# KiCad board RASBB.kicad_pcb (continued)
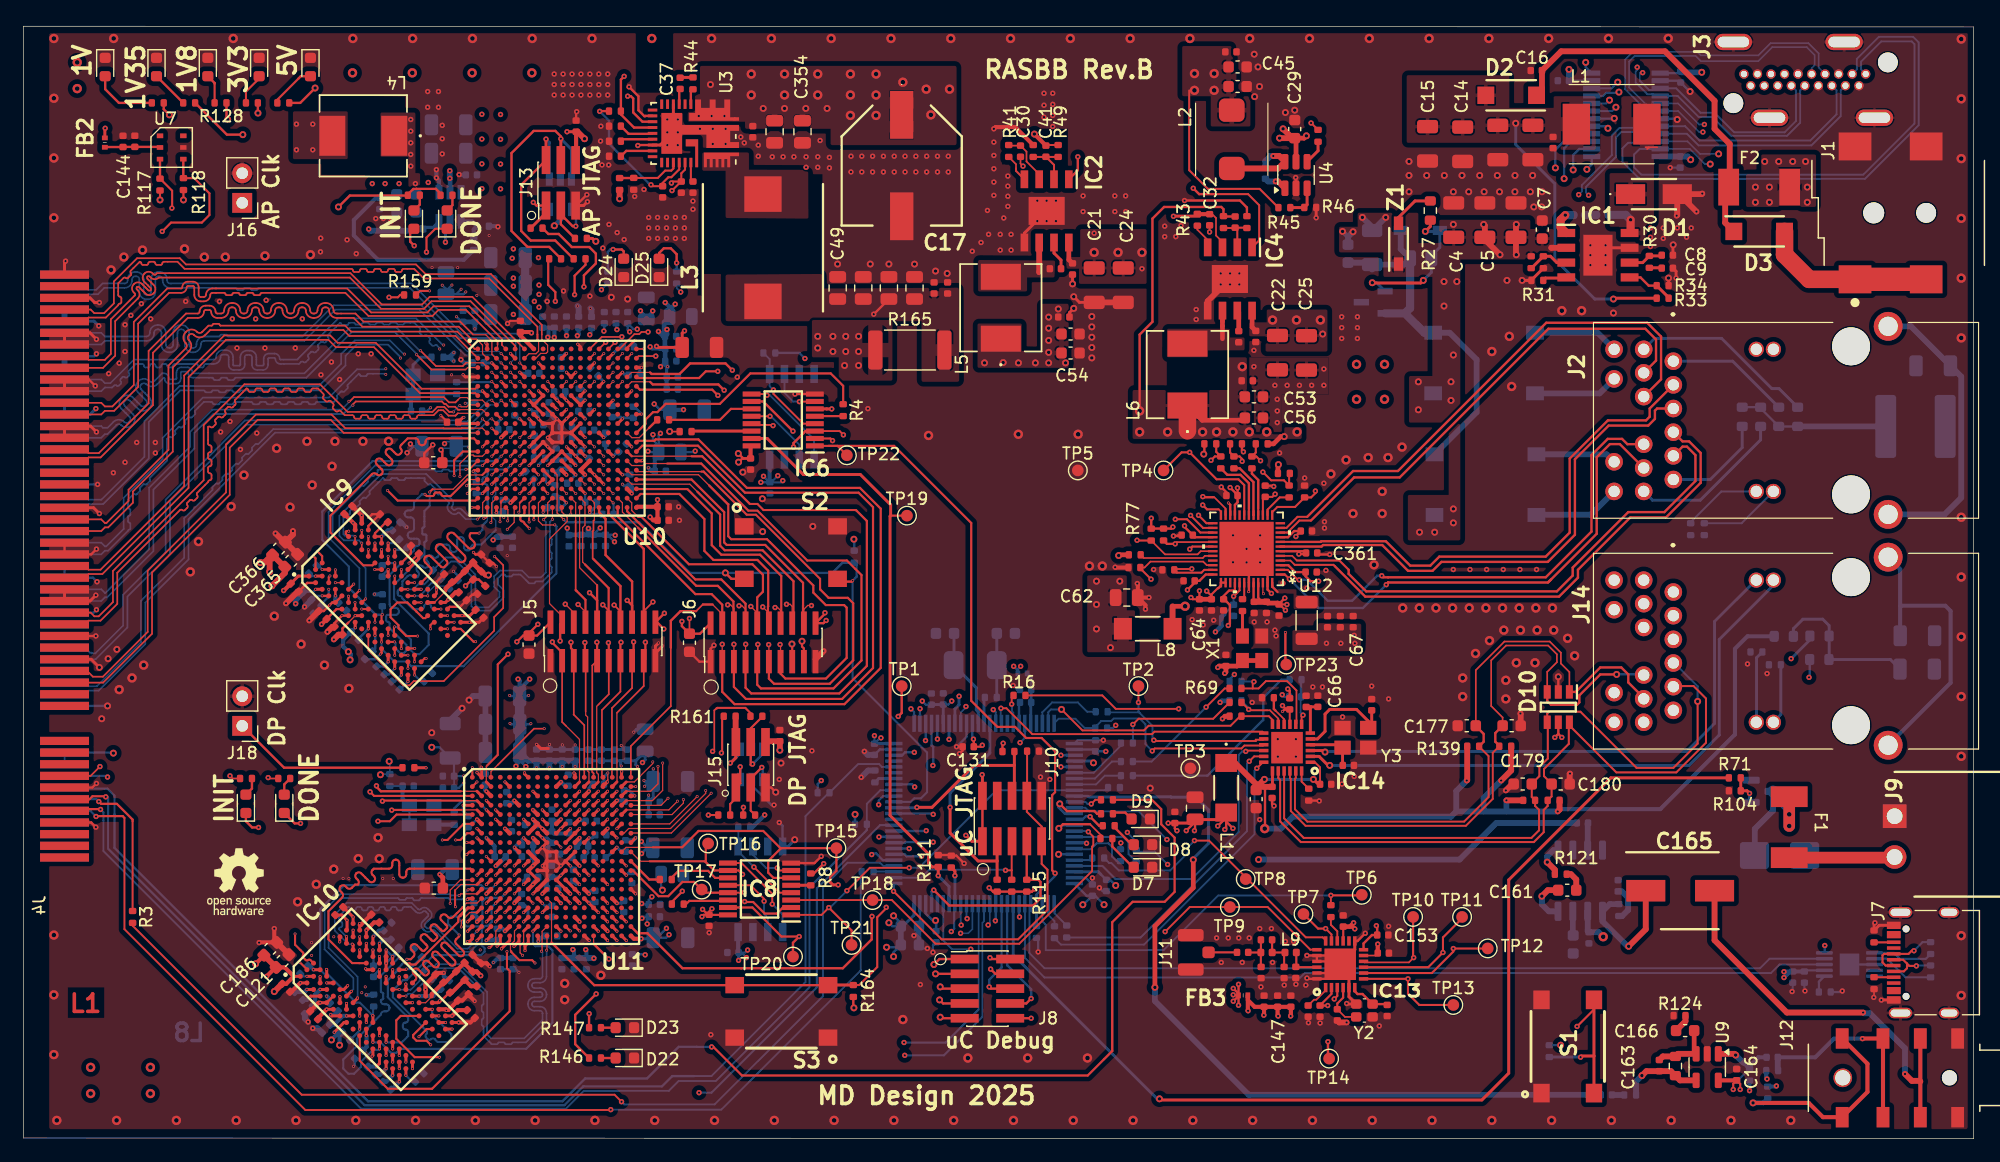
[diagram p0: board, top side]
## Library data of the parts (continued)
D4 D5 = -: Datasheet: https://www.lcsc.com/datasheet/lcsc_datasheet_2304140030_Diodes-Incorporated-DF1501S-T_C155338.pdf; Description: 50A 1.1V@1.5A 1.5A 100V DF-S Bridge Rectifiers ROHS; LCSC Part #: C155338; ki_fp_filters: D*Bridge* D*Rectifier*
D6 = -: Datasheet: https://www.lcsc.com/datasheet/lcsc_datasheet_2009121106_PANJIT-International-S210-R1-00001_C391676.pdf; Description: 2A Independent Type 100V 660mV@2A SMB(DO-214AA) Diodes - General Purpose ROHS; Sim.Device: D; Sim.Pins: 1=K 2=A; LCSC Part #: C391676; ki_fp_filters: D*DO?201AD*
D7 D13-D16 = -: Datasheet: https://www.lcsc.com/datasheet/lcsc_datasheet_2302091809_Amicc-A-SP192YR6C-C01-4T_C5355433.pdf; Description: 5mA Colorless Transparent Lens 72mcd 616nm~624nm -40℃~+85℃ Positive Stick Red 120° 60mW 1.7V~2.2V 0603 LED Indication - Discrete ROHS; LCSC Part #  : C5355433; LCSC Part #: C5355433; ki_fp_filters: LED* LED_SMD:* LED_THT:*
D8 D17-D22 D25 = -: Datasheet: https://www.lcsc.com/datasheet/lcsc_datasheet_2311081131_Amicc-A-SP192DGHC-C01-4T_C19171301.pdf; Description: 225mcd~450mcd Colorless Transparent Lens -40℃~+85℃ Positive Stick 520nm~535nm Green 120° 70mW 2.4V~3V 0603 LED Indication - Discrete ROHS; LCSC Part #  : C19171301; LCSC Part #: C19171301; ki_fp_filters: LED* LED_SMD:* LED_THT:*
D9 D23 D24 = -: Datasheet: https://www.lcsc.com/datasheet/lcsc_datasheet_2302091809_Amicc-A-SP192GS1D-C01-4T_C5355434.pdf; Description: 5mA 285mcd Frosted Orange Lens -40℃~+85℃ 592nm~600nm Positive Stick Orange 130° 20mW 2.4V~3V 0603 LED Indication - Discrete ROHS; LCSC Part #  : C5355434; LCSC Part #: C5355434; ki_fp_filters: LED* LED_SMD:* LED_THT:*
D10 = -: Datasheet: https://www.diodes.com//assets/Datasheets/D5V0F4U6SO.pdf; Description: 3A@8/20us 12V 6V Unidirectional 5.5V SOT-26 ESD and Surge Protection (TVS/ESD) ROHS; Height: 1.4; Manufacturer_Name: Diodes Incorporated; LCSC Part #  : C445539; LCSC Part #: C445539
D11 D12 = -: Datasheet: https://componentsearchengine.com/Datasheets/1/DT2042-04SO-7.pdf; Description: Diodes Inc DT2042-04SO-7 Quad Uni-Directional TVS Diode Array, 300mW peak, 6-Pin SOT-26; Height: 1.4; Manufacturer_Name: Diodes Incorporated; LCSC Part #: C2841428
F1 = -: Description: Resettable fuse, polymeric positive temperature coefficient; LCSC Part #: C883154; ki_fp_filters: *polyfuse* *PTC*
F2 = -: Description: Resettable fuse, polymeric positive temperature coefficient; LCSC Part #: C960026; Mfr. Part #: BSMD1812-150-33V; ki_fp_filters: *polyfuse* *PTC*
FB1-FB3 = -: Datasheet: http://www.murata.com/~/media/webrenewal/support/library/catalog/products/emc/emifil/c31e.ashx?la=en-gb; Description: BLM15_H1D Series EMI Suppression Filter 600+/-25% at 100MHz 200mA @85; Height: 0.55; Manufacturer_Name: Murata Electronics; LCSC Part # : C710334; LCSC Part #: C710334
IC1 = -: Datasheet: https://www.richtek.com/assets/product_file/RT6365/DS6365-02.pdf; Description: Switching Voltage Regulators 60VIN, 5A, Asynchronous Step-Down Converter with Low Quiescent Current; Height: 1.753; Manufacturer_Name: RICHTEK; LCSC Part # : C3024482; LCSC Part #: C3024482
IC2 IC4 = -: Datasheet: http://www.ti.com/lit/gpn/tps56528; Description: 4.5V to 18V Input, 5-A Synchronous Step-Down Converter with Advanced Eco-mode&#153;; Height: 1.7; LCSC Part #: C138716
IC3 = -: Datasheet: http://www.ti.com/lit/gpn/tps563201; Description: 4.5 V to 17 V input, 3 A output, synchronous step-down converter in Eco-mode; Height: 1.1; Manufacturer_Name: Texas Instruments; LCSC Part # : C116592; LCSC Part #: C116592
IC5 IC7 = -: Datasheet: http://www.cypress.com/file/316171/download; Description: CYPRESS SEMICONDUCTOR - S25FL128LAGMFI010 - FLASH MEMORY, 128MBIT, 133MHZ, SOIC-8; Height: 2.16; Manufacturer_Name: Infineon; LCSC Part #: C2959152
IC6 IC8 = -: Datasheet: http://www.ti.com/lit/ds/symlink/ts3a5018.pdf; Description: Analog SW Quad SPDT 3.6V 16-Pin SSOP Texas Instruments TS3A5018DBQR, Analogue SPDT Switch Quad SPDT, 3 V, 16-Pin SSOP; Height: 1.75; Manufacturer_Name: Texas Instruments; LCSC Part #: C202285
IC9 IC10 = -: Datasheet: https://datasheet.datasheetarchive.com/originals/distributors/DKDS42/DSANUWW0045409.pdf; Description: MICRON - MT41K256M16TW-107:P - SDRAM, 256M X 16BIT, 0 TO 95DEG C; Height: 1.2; Manufacturer_Name: Micron; Mfr. Part #: MT41K256M16TW-107:P
IC11 = -: Datasheet: http://www.ti.com/lit/ds/symlink/tpd12s016.pdf; Description: Texas Instruments,TPD12S016PWR,IC,HDMI TPD12S016PWR, HDMI Interface 12-channel HDMI 4.5; Height: 1.2; Manufacturer_Name: Texas Instruments; LCSC Part # : C201665; LCSC Part #: C201665
IC12 = -: Datasheet: https://www.lcsc.com/datasheet/lcsc_datasheet_2304140030_STMicroelectronics-STM32H743VGT6_C730183.pdf; Height: 1.6; Manufacturer_Name: STMicroelectronics; LCSC Part # : C730183; LCSC Part #: C730183
IC13 = -: Datasheet: https://datasheet.datasheetarchive.com/originals/distributors/DKDS-37/728740.pdf; Description: RF Transceiver Long range 2.4 GHz Wireless Transceiver; Height: 1; Manufacturer_Name: SEMTECH; LCSC Part #: C125969
IC14 = -: Datasheet: https://www.lcsc.com/datasheet/lcsc_datasheet_2410010203_Microchip-Tech-LAN8742AI-CZ-TR_C621425.pdf; Description: VQFN-24-EP(4x4) Buffers, Drivers, Receivers, Transceivers ROHS; Height: 1; Manufacturer_Name: Microchip; LCSC Part #  : C621425; LCSC Part #: C621425
J1 = -: Datasheet: https://www.lcsc.com/datasheet/lcsc_datasheet_2410010333_CUI-PJ-002AH-SMT-TR_C22434687.pdf; Description: SMD DC Power Connectors ROHS; LCSC Part #: C22434687
J2 J14 = -: Datasheet: https://www.lcsc.com/datasheet/lcsc_datasheet_2407021511_HANRUN-Zhongshan-HanRun-Elec-HR911196AE_C5149194.pdf; Description: Plugin Ethernet Connectors / Modular Connectors (RJ45 RJ11) ROHS; LCSC Part #  : C5149194; LCSC Part #: C5149194
J3 = -: Description: Push-Pull HDMI Connectors ROHS; LCSC Part # : C41347845; LCSC Part #: C41347845; ki_fp_filters: HDMI*A*
J4 = -: Datasheet: https://www.lcsc.com/datasheet/lcsc_datasheet_2305061718_XKB-Connection-X3157WS-98-9TV30_C5711253.pdf; Description: Plugin PCI / PCIe Connector ROHS; LCSC Part # : C5711253; LCSC Part #: C5711253
J5 J6 = -: Description: Generic connector, double row, 02x10, odd/even pin numbering scheme (row 1 odd numbers, row 2 even numbers), script generated (kicad-library-utils/schlib/autogen/connector/); LCSC Part #: C59981; Mfr. Part # : 1.27-2*10P; Mfr. Part #: 1.27-2*10P; ki_fp_filters: Connector*:*_2x??_*
J7 = -: Datasheet: https://www.lcsc.com/datasheet/lcsc_datasheet_2111231930_SHOU-HAN-TYPE-C-16PIN-2MD-073_C2765186.pdf; Description: USB Full-Featured Type-C Receptacle connector; Mfr. Part #  : TYPE-C 16PIN 2MD(073); LCSC Part #  : C2765186; LCSC Part #: C2765186; Mfr. Part #: TYPE-C 16PIN 2MD(073); ki_fp_filters: USB*C*Receptacle*
J8 J10 = -: Datasheet: https://www.lcsc.com/datasheet/lcsc_datasheet_2408280907_Megastar-ZX-PZ1-27-2-5PWZ_C41370773.pdf; Description: https://www.lcsc.com/datasheet/lcsc_datasheet_2408280907_Megastar-ZX-PZ1-27-2-5PWZ_C41370773.pdf; Manufacturer_Name: Megastar; LCSC Part # : C41370773; LCSC Part #: C41370773
J9 = -: Datasheet: https://www.lcsc.com/datasheet/lcsc_datasheet_2303311930_Cixi-Kefa-Elec-KF2EDGR-3-5-2P_C441171.pdf; Description: Bend -40℃~+105℃ 1 3.5mm 300V 10A 2 1x2P Green Receptacle-Close Push-Pull,P=3.5mm Pluggable System Terminal Block ROHS; Height: 7.5; Manufacturer_Name: Cixi Kefa Elec; LCSC Part #  : C441171; LCSC Part #: C441171
J11 = -: Description: coaxial connector (BNC, SMA, SMB, SMC, Cinch/RCA, LEMO, ...); LCSC Part #: C22418213; Mfr. Part #: CONUFL001-SMD-T or similar; ki_fp_filters: *BNC* *SMA* *SMB* *SMC* *Cinch* *LEMO* *UMRF* *MCX* *U.FL*
J12 = -: Description: -25℃~+70℃ 3.5mm Headphone Jack 30V Nickel 500mA Phosphor Bronze SMD Audio Connectors ROHS; LCSC Order #: C7501803; Mfr. Part #: HC-PJ-313E8-B-SMT; LCSC Part #: C7501803; ki_fp_filters: Jack*
J13 J15 = -: Datasheet: https://www.lcsc.com/datasheet/lcsc_datasheet_2408280907_Megastar-ZX-PZ1-27-2-3PWZ_C41370771.pdf; Description: Gold 1A Standing paste Policy 1mm 6P 4mm -40℃~+105℃ 1.27mm Brass Double Row Black 2x3P 1.27mm SMD,P=1.27mm Pin Headers ROHS; Mfr. Part #: ZX-PZ1.27-2-3PWZ; LCSC Part #: C41370771; ki_fp_filters: Connector*:*_1x??_*
J16 J18 = -: Description: Generic connector, single row, 01x02, script generated; ki_fp_filters: Connector*:*_1x??_*
L1 = -: Datasheet: https://www.lcsc.com/datasheet/lcsc_datasheet_2304140030_Sumida-0630CDMCDDS-100MC_C2595948.pdf; Description: 4.5A 10uH ±20% 4.6A 2726 Power Inductors ROHS; Mfr. Part # : 0630CDMCDDS-100MC; LCSC Part # : C2595948; LCSC Part #: C2595948; Mfr. Part #: 0630CDMCDDS-100MC; ki_fp_filters: Choke_* *Coil* Inductor_* L_*
L2 = -: Datasheet: https://www.lcsc.com/datasheet/lcsc_datasheet_2108131730_SXN-Shun-Xiang-Nuo-Elec-SMDRS6028-150N_C163563.pdf; Description: 1A 15uH Shielded inductor ±30% 1A SMD Power Inductors ROHS; LCSC Part #: C163563; Manufacturer_Name: SXN(Shun Xiang Nuo Elec); Mfr. Part # : SMDRS6028-150N; Mfr. Part #: SMDRS6028-150N
L3 = -: Datasheet: https://www.lcsc.com/datasheet/lcsc_datasheet_2312131902_Vishay-Intertech-IHLP4040DZERR36M01_C845083.pdf; Description: 31.5A 360nH ±20% 60A SMD,10.8x10.2mm Power Inductors ROHS; Height: 4; LCSC Part # : C845083; Manufacturer_Name: Vishay; Mfr. Part # : IHLP4040DZERR36M01; LCSC Part #: C845083; Mfr. Part #: IHLP4040DZERR36M01
L4-L6 = -: Datasheet: https://www.lcsc.com/datasheet/lcsc_datasheet_2203301630_Vishay-Intertech-IHLP2525EZER2R2M01_C845037.pdf; Description: 10A 2.2uH ±20% 10A SMD,6.5x6.9mm Power Inductors ROHS; Mfr. Part # : IHLP2525EZER2R2M01; LCSC Part # : C845037; LCSC Part #: C845037; Mfr. Part #: IHLP2525EZER2R2M01; ki_fp_filters: IND_IHLP-2525CZ_VIS IND_IHLP-2525CZ_VIS-M IND_IHLP-2525CZ_VIS-L
L7 = -: Description: 1.3A 2.2uH ±20% 150mΩ 1206 Inductors (SMD) ROHS; Mfr. Part #  : MGFL3216F2R2MT-LF; LCSC Part #  : C486337; LCSC Part #: C486337; Mfr. Part #: microgate MGFL3216F2R2MT-LF; ki_fp_filters: Choke_* *Coil* Inductor_* L_*
L8 L11 = -: Datasheet: https://www.lcsc.com/datasheet/lcsc_datasheet_1808132354_Murata-Electronics-BLM41PG102SN1L_C88999.pdf; Description: 90mΩ ±25% 1kΩ@100MHz 1806 Ferrite Beads ROHS; LCSC Part #  : C88999; LCSC Part #: C88999; ki_fp_filters: IND_BLM41_1806_MUR IND_BLM41_1806_MUR-M IND_BLM41_1806_MUR-L
L9 = -: Datasheet: https://www.lcsc.com/datasheet/lcsc_datasheet_2410010232_TDK-MHQ1005P3N0BT000_C433005.pdf; Description: Inductor; Mfr. Part # : MHQ1005P3N0BT000; LCSC Part # : C433005; LCSC Part #: C433005; Mfr. Part #: MHQ1005P3N0BT000; ki_fp_filters: Choke_* *Coil* Inductor_* L_*
L10 = -: Datasheet: https://www.lcsc.com/datasheet/lcsc_datasheet_2302231208_FH--Guangdong-Fenghua-Advanced-Tech-FHW0402UC2N5KST_C317668.pdf; Description: 640mA 2.5nH ±10% 120mΩ 0402 Inductors (SMD) ROHS; Mfr. Part # : FHW0402UC2N5KST; LCSC Part # : C317668; LCSC Part #: C317668; Mfr. Part #: FHW0402UC2N5KST; ki_fp_filters: Choke_* *Coil* Inductor_* L_*
Q1 = -: Datasheet: http://www.diodes.com/assets/Datasheets/DMN6075S.pdf; Description: 60V 3A 350mW 125mΩ@4.5V,3A 500mV@250uA SOT-23 MOSFETs ROHS; LCSC Part #  : C5122015; LCSC Part #: C5122015; ki_fp_filters: SOT?23*
R1-R4 R6-R8 R11-R16 R22 R72 R73 R139-R142 R157-R159 R166 R167 = -: Description: 62.5mW Thick Film Resistors ±100ppm/℃ ±1% 49.9Ω 0402 Chip Resistor - Surface Mount ROHS; Mfr. Part #: RMCF0402FT49R9; LCSC Part #: C4229190; ki_fp_filters: R_*
R5 R53-R56 R85 R86 R91 R92 R103 = -: Description: 62.5mW Thick Film Resistors 50V ±100ppm/℃ ±1% 4.7kΩ 0402 Chip Resistor - Surface Mount ROHS; Mfr. Part #: RC0402FR-074K7L; LCSC Part #: C105871; ki_fp_filters: R_*
R9 = -: Datasheet: https://www.lcsc.com/datasheet/lcsc_datasheet_2304140030_Walsin-Tech-Corp-WR04X4701FTL_C163826.pdf; Description: 62.5mW Thick Film Resistors 50V ±100ppm/℃ ±1% 4.7kΩ 0402 Chip Resistor - Surface Mount ROHS; Mfr. Part #: WR04X4701FTL; LCSC Part #: C163826; Mfr. Part # : WR04X4701FTL; ki_fp_filters: R_*
R10 R57-R62 R74 R76 R101 R107 R114-R120 = -: Datasheet: https://www.lcsc.com/datasheet/lcsc_datasheet_2304140030_Walsin-Tech-Corp-WR04X4701FTL_C163826.pdf; Description: 62.5mW Thick Film Resistors 50V ±100ppm/℃ ±1% 4.7kΩ 0402 Chip Resistor - Surface Mount ROHS; Mfr. Part #: WR04X4701FTL; LCSC Part #: C163826; Mfr. Part # : WR04X4701FTL; LCSC Part # : C163826; ki_fp_filters: R_*
R17-R20 R23 R24 R99 R100 = -: Description: 62.5mW Thick Film Resistors 50V ±100ppm/℃ ±1% 22Ω 0402 Chip Resistor - Surface Mount ROHS; Mfr. Part #: WR04X22R0FTL; LCSC Part #: C163821; ki_fp_filters: R_*
R21 R63-R66 R68-R71 R87 R93 = -: Description: 62.5mW Thick Film Resistors 50V ±100ppm/℃ ±1% 100Ω 0402 Chip Resistor - Surface Mount ROHS; Mfr. Part #: WR04X1000FTL; LCSC Part #: C163808; ki_fp_filters: R_*
R25 = -: Datasheet: https://www.lcsc.com/datasheet/lcsc_datasheet_2304140030_Walsin-Tech-Corp-WR12X2492FTL_C171074.pdf; Description: 250mW Thick Film Resistors 200V ±100ppm/℃ ±1% 24.9kΩ 1206 Chip Resistor - Surface Mount ROHS; Mfr. Part # : WR12X2492FTL; LCSC Part #: C171074; Mfr. Part #: WR12X2492FTL; ki_fp_filters: R_*
R26 = -: Datasheet: https://www.lcsc.com/datasheet/lcsc_datasheet_2304140030_Walsin-Tech-Corp-WR08X2493FTL_C170853.pdf; Description: 125mW Thick Film Resistors 150V ±100ppm/℃ ±1% 249kΩ 0805 Chip Resistor - Surface Mount ROHS; Mfr. Part # : WR08X2493FTL; LCSC Part #: C170853; Mfr. Part #: WR08X2493FTL; ki_fp_filters: R_*
R27 R123 = -: Datasheet: https://www.lcsc.com/datasheet/lcsc_datasheet_2304140030_Walsin-Tech-Corp-WR06X5102FTL_C163933.pdf; Description: 100mW Thick Film Resistors 75V ±100ppm/℃ ±1% 51kΩ 0603 Chip Resistor - Surface Mount ROHS; Mfr. Part # : WR06X5102FTL; LCSC Part #: C227390; Mfr. Part #: WR06X5102FTL; ki_fp_filters: R_*
R28 = -: Datasheet: https://www.lcsc.com/datasheet/lcsc_datasheet_2304140030_Walsin-Tech-Corp-WR04X5903FTL_C172103.pdf; Description: 62.5mW Thick Film Resistors 50V ±100ppm/℃ ±1% 590kΩ 0402 Chip Resistor - Surface Mount ROHS; Mfr. Part #: WR04X5903FTL; LCSC Part #: C172103; ki_fp_filters: R_*
R29 R30 = -: Datasheet: https://www.lcsc.com/datasheet/lcsc_datasheet_2304140030_Walsin-Tech-Corp-WR04X1802FTL_C168206.pdf; Description: 62.5mW Thick Film Resistors 50V ±100ppm/℃ ±1% 18kΩ 0402 Chip Resistor - Surface Mount ROHS; Mfr. Part #: WR04X1802FTL; LCSC Part #: C168206; ki_fp_filters: R_*
R31 = -: Datasheet: https://www.lcsc.com/datasheet/lcsc_datasheet_2304140030_Walsin-Tech-Corp-WR04X124JTL_C384380.pdf; Description: 62.5mW Thick Film Resistors 50V ±100ppm/℃ ±5% 120kΩ 0402 Chip Resistor - Surface Mount ROHS; Mfr. Part #: CRCW04023R30FKEDC; LCSC Part #: C384380; ki_fp_filters: R_*
R32 R44 = -: Datasheet: https://www.lcsc.com/datasheet/lcsc_datasheet_2312131040_Vishay-Intertech-CRCW04023R30FKEDC_C4170964.pdf; Description: 62.5mW Thick Film Resistors ±100ppm/℃ ±1% 3.3Ω 0402 Chip Resistor - Surface Mount ROHS; Mfr. Part #: CRCW04023R30FKEDC; LCSC Part #: C384380; ki_fp_filters: R_*
R33 = -: Datasheet: https://www.lcsc.com/datasheet/lcsc_datasheet_2304140030_Walsin-Tech-Corp-WR04X1803FTL_C168207.pdf; Description: 62.5mW Thick Film Resistors 50V ±100ppm/℃ ±1% 180kΩ 0402 Chip Resistor - Surface Mount ROHS; Mfr. Part #: WR04X1803FTL; LCSC Part #: C168207; ki_fp_filters: R_*
R34 = -: Datasheet: https://www.lcsc.com/datasheet/lcsc_datasheet_2204082130_Walsin-Tech-Corp-SR04X1202FTL_C2991361.pdf; Description: 100mW Thick Film Resistors 50V ±100ppm/℃ ±1% 12kΩ 0402 Chip Resistor - Surface Mount ROHS; Mfr. Part #: SR04X1202FTL; LCSC Part #: C2991361; ki_fp_filters: R_*
R35-R37 R41-R43 R49 R125 R126 = -: Datasheet: https://www.lcsc.com/datasheet/lcsc_datasheet_2304140030_YAGEO-RC0402FR-07100KL_C60491.pdf; Description: 62.5mW Thick Film Resistors 50V ±100ppm/℃ ±1% 100kΩ 0402 Chip Resistor - Surface Mount ROHS; Mfr. Part #: RC0402FR-07100KL; LCSC Part #: C60491; ki_fp_filters: R_*
R38 = -: Datasheet: https://www.lcsc.com/datasheet/lcsc_datasheet_2304140030_Vishay-Intertech-CRCW04025K49FKED_C2092200.pdf; Description: 62.5mW Thick Film Resistors 50V ±1% ±100ppm/℃ 5.49kΩ 0402 Chip Resistor - Surface Mount ROHS; Mfr. Part #: CRCW04025K49FKED; LCSC Part #: C2092200; ki_fp_filters: R_*
R39 = -: Datasheet: https://www.lcsc.com/datasheet/lcsc_datasheet_2304140030_Vishay-Intertech-CRCW04022K32FKED_C2091739.pdf; Description: 62.5mW Thick Film Resistors 50V ±1% ±100ppm/℃ 2.32kΩ 0402 Chip Resistor - Surface Mount ROHS; Mfr. Part #: CRCW04022K32FKED; LCSC Part #: C2091739; ki_fp_filters: R_*
R40 = -: Datasheet: https://www.lcsc.com/datasheet/lcsc_datasheet_2312131159_Vishay-Intertech-CRCW04023K48FKED_C4336043.pdf; Description: 63mW Thick Film Resistors ±100ppm/℃ ±1% 3.48kΩ 0402 Chip Resistor - Surface Mount ROHS; Mfr. Part #: CRCW04023K48FKED; LCSC Part #: C4336043; ki_fp_filters: R_*
R45 = -: Datasheet: https://www.lcsc.com/datasheet/lcsc_datasheet_2304140030_Walsin-Tech-Corp-WR04X113JTL_C172152.pdf; Description: 62.5mW Thick Film Resistors 50V ±100ppm/℃ ±5% 11kΩ 0402 Chip Resistor - Surface Mount ROHS; Mfr. Part #: WR04X113JTL; LCSC Part #: C172152; ki_fp_filters: R_*
R46 = -: Datasheet: https://www.lcsc.com/datasheet/lcsc_datasheet_2304140030_Walsin-Tech-Corp-WR04X2101FTL_C170256.pdf; Description: 62.5mW Thick Film Resistors 50V ±100ppm/℃ ±1% 2.1kΩ 0402 Chip Resistor - Surface Mount ROHS; Mfr. Part #: WR04X2101FTL; LCSC Part #: C170256; ki_fp_filters: R_*
R47 = -: Datasheet: https://www.lcsc.com/datasheet/lcsc_datasheet_2304140030_Walsin-Tech-Corp-WR04X7681FTL_C334733.pdf; Description: 62.5mW Thick Film Resistors 50V ±100ppm/℃ ±1% 7.68kΩ 0402 Chip Resistor - Surface Mount ROHS; Mfr. Part #: WR04X7681FTL; LCSC Part #: C334733; ki_fp_filters: R_*
R48 R67 R96 R104-R106 R111-R113 R124 R127 R132 R133 R135 R137 R156 R164 = -: Datasheet: https://www.lcsc.com/datasheet/lcsc_datasheet_2304140030_Walsin-Tech-Corp-WR04X1002FTL_C163810.pdf; Description: 62.5mW Thick Film Resistors 50V ±100ppm/℃ ±1% 10kΩ 0402 Chip Resistor - Surface Mount ROHS; Mfr. Part #: WR04X1002FTL; LCSC Part #: C163810; ki_fp_filters: R_*
R50 R52 = -: Datasheet: https://www.lcsc.com/datasheet/lcsc_datasheet_1912111437_Vishay-Intertech-CRCW040249K9FKED_C350874.pdf; Description: 62.5mW Thick Film Resistors 50V ±1% ±100ppm/℃ 49.9kΩ 0402 Chip Resistor - Surface Mount ROHS; Mfr. Part #: CRCW040249K9FKED; LCSC Part #: C350874; ki_fp_filters: R_*
R51 = -: Description: 62.5mW Thick Film Resistors 50V ±1% ±100ppm/℃ 226kΩ 0402 Chip Resistor - Surface Mount ROHS; Mfr. Part #: CRCW0402226KFKED; LCSC Part #: C2076623; ki_fp_filters: R_*
R75 R88 R89 R94 R95 R108-R110 R131 R138 R146-R149 = -: Datasheet: https://www.lcsc.com/datasheet/lcsc_datasheet_2304140030_Walsin-Tech-Corp-MR04X1001FTL_C327796.pdf; Description: 100mW Thick Film Resistors 50V ±100ppm/℃ ±1% 1kΩ 0402 Chip Resistor - Surface Mount ROHS; Mfr. Part #: MR04X1001FTL; LCSC Part #: C327796; ki_fp_filters: R_*
R77 R136 = -: Datasheet: https://www.lcsc.com/datasheet/lcsc_datasheet_2304140030_Walsin-Tech-Corp-WR04X152JTL_C384376.pdf; Description: 62.5mW Thick Film Resistors 50V ±100ppm/℃ ±5% 1.5kΩ 0402 Chip Resistor - Surface Mount ROHS; Mfr. Part #: WR04X152JTL; LCSC Part #: C384376; ki_fp_filters: R_*
R78-R81 R144 R145 = -: Description: 250mW Thick Film Resistors 150V ±100ppm/℃ ±1% 75Ω 0603 Chip Resistor - Surface Mount ROHS; Mfr. Part #  : ESR03EZPF75R0; LCSC Part #  : C2074227; LCSC Part #: C2074227; Mfr. Part #: ESR03EZPF75R0; ki_fp_filters: R_*
R82 R83 R150 R151 = -: Description: 62.5mW ±100ppm/℃ ±5% 270Ω 0402 Chip Resistor - Surface Mount ROHS; Mfr. Part #: SR04X271JTL; LCSC Part #: C880838; Mfr. Part #  : SR04X271JTL; LCSC Part #  : C880838; ki_fp_filters: R_*
R84 R90 = -: Description: 62.5mW Thin Film Resistor 50V ±50ppm/℃ ±0.1% 240Ω 0402 Chip Resistor - Surface Mount ROHS; Mfr. Part #: RT0402BRE07240RL; LCSC Part #: C728568; ki_fp_filters: R_*
R97 R98 = -: Description: 62.5mW Thick Film Resistors 50V ±100ppm/℃ ±5% 5.1kΩ 0402 Chip Resistor - Surface Mount ROHS; Mfr. Part #: WR04X512JTL; LCSC Part #: C384321; Mfr. Part #  : WR04X512JTL; ki_fp_filters: R_*
R102 = -: Description: 100mW Thick Film Resistors 50V -200ppm/℃~+400ppm/℃ 0Ω 0402 Chip Resistor - Surface Mount ROHS; Mfr. Part #: MR04X000PTL; LCSC Part #: C396825; Mfr. Part #  : MR04X000PTL; ki_fp_filters: R_*
R121 = -: Datasheet: https://www.lcsc.com/datasheet/lcsc_datasheet_2304140030_Walsin-Tech-Corp-WR04X1201FTL_C168197.pdf; Description: 62.5mW Thick Film Resistors 50V ±100ppm/℃ ±1% 1.2kΩ 0402 Chip Resistor - Surface Mount ROHS; Mfr. Part #: WR04X1201FTL; LCSC Part #: C168197; ki_fp_filters: R_*
R122 = -: Datasheet: https://www.lcsc.com/datasheet/lcsc_datasheet_2411221126_UNI-ROYAL-Uniroyal-Elec-0402WGF100JTCE_C25077.pdf; Description: 62.5mW Thick Film Resistors 50V ±1% ±200ppm/℃ 10Ω 0402 Chip Resistor - Surface Mount ROHS; Mfr. Part #: 0402WGF100JTCE; LCSC Part #: C25077; ki_fp_filters: R_*
R128-R130 = -: Datasheet: https://www.lcsc.com/product-detail/Chip-Resistor-Surface-Mount_Walsin-Tech-Corp-WR04X7150FTL_C334727.html; Description: 62.5mW Thick Film Resistors 50V ±100ppm/℃ ±1% 715Ω 0402 Chip Resistor - Surface Mount ROHS; Mfr. Part #: WR04X7150FTL; LCSC Part #: C334727; ki_fp_filters: R_*
R134 = -: Description: 62.5mW Thick Film Resistors 50V ±100ppm/℃ ±1% 12.1kΩ 0402 Chip Resistor - Surface Mount ROHS; Mfr. Part #: WR04X1212FTL; LCSC Part #: C168199; Mfr. Part #  : WR04X1212FTL; LCSC Part #  : C168199; ki_fp_filters: R_*
R143 = -: Description: 250mW Thick Film Resistors 75V 0Ω 0603 Chip Resistor - Surface Mount ROHS; Mfr. Part #  : RCS06030000Z0EC; LCSC Part #: C2094997; Mfr. Part #: RCS06030000Z0EC; ki_fp_filters: R_*
R152-R155 R160-R163 = -: Description: 62.5mW Thick Film Resistors ±100ppm/℃ ±1% 49.9Ω 0402 Chip Resistor - Surface Mount ROHS; Mfr. Part #: WR04X1000FTL; LCSC Part #: C163808; ki_fp_filters: R_*
R165 = -: Datasheet: https://www.lcsc.com/datasheet/lcsc_datasheet_2407091734_FOJAN-FRM121WFR005TM_C7419996.pdf; Description: 2W 5mΩ Current Sensing Resistors ±50ppm/℃ ±5% 2512 Current Sense Resistors / Shunt Resistors ROHS; Mfr. Part #: FRM252WJR005TN; LCSC Part #: C7419996; ki_fp_filters: R_*
S1 = -: Description: Tactile Switches 6x6x3.1mm Flat 150OF PhosphorBronze Ag TR; Manufacturer_Name: Omron Electronics; LCSC Part #  : C87038; LCSC Part #: C271750
S2 S3 = -: Description: Tactile Switches 6x6x3.1mm Flat 150OF PhosphorBronze Ag TR; Manufacturer_Name: Omron Electronics; LCSC Part #: C271750
TP1 = -: ki_fp_filters: Pin* Test*
TP2-TP23 = -: Description: test point; ki_fp_filters: Pin* Test*
U1 = -: Description: 500mW 15V SOD-123 Zener Diodes ROHS; LCSC Part #: C463904; ki_fp_filters: SOD-123_ONS SOD-123_ONS-M SOD-123_ONS-L
U2 = -: Description: 100V 2.3A 1.6W 0.234Ω@10V,2.3A 2.8V@250uA SOT-23 MOSFETs ROHS; LCSC Part #: C190351; ki_fp_filters: SOT_4DS-T1-GE3_VIS SOT_4DS-T1-GE3_VIS-M SOT_4DS-T1-GE3_VIS-L
U3 = -: Description: https://www.lcsc.com/datasheet/lcsc_datasheet_2212301230_Vishay-Intertech-SIC453ED-T1-GE3_C5334327.pdf; LCSC Part #: C5334327; ki_fp_filters: POWERPAK_MLP34-57_VIS
U4 = -: Datasheet: https://www.lcsc.com/datasheet/lcsc_datasheet_2404111510_JoulWatt-Tech-JW5026_C185109.pdf; Description: Step-down type 1A SOT-23-6 DC-DC Converters ROHS; LCSC Part #: C185109
U6 = -: Datasheet: https://www.lcsc.com/datasheet/lcsc_datasheet_2403131141_WCH-Jiangsu-Qin-Heng-CH340E_C99652.pdf; Description: 2Mbps Transceiver USB 2.0 MSOP-10 USB Converters ROHS; LCSC Part #  : C99652; LCSC Part #: C99652